# KiCad board Joystick 2-axis with pushbutton breakout_panel.kicad_pcb (continued)
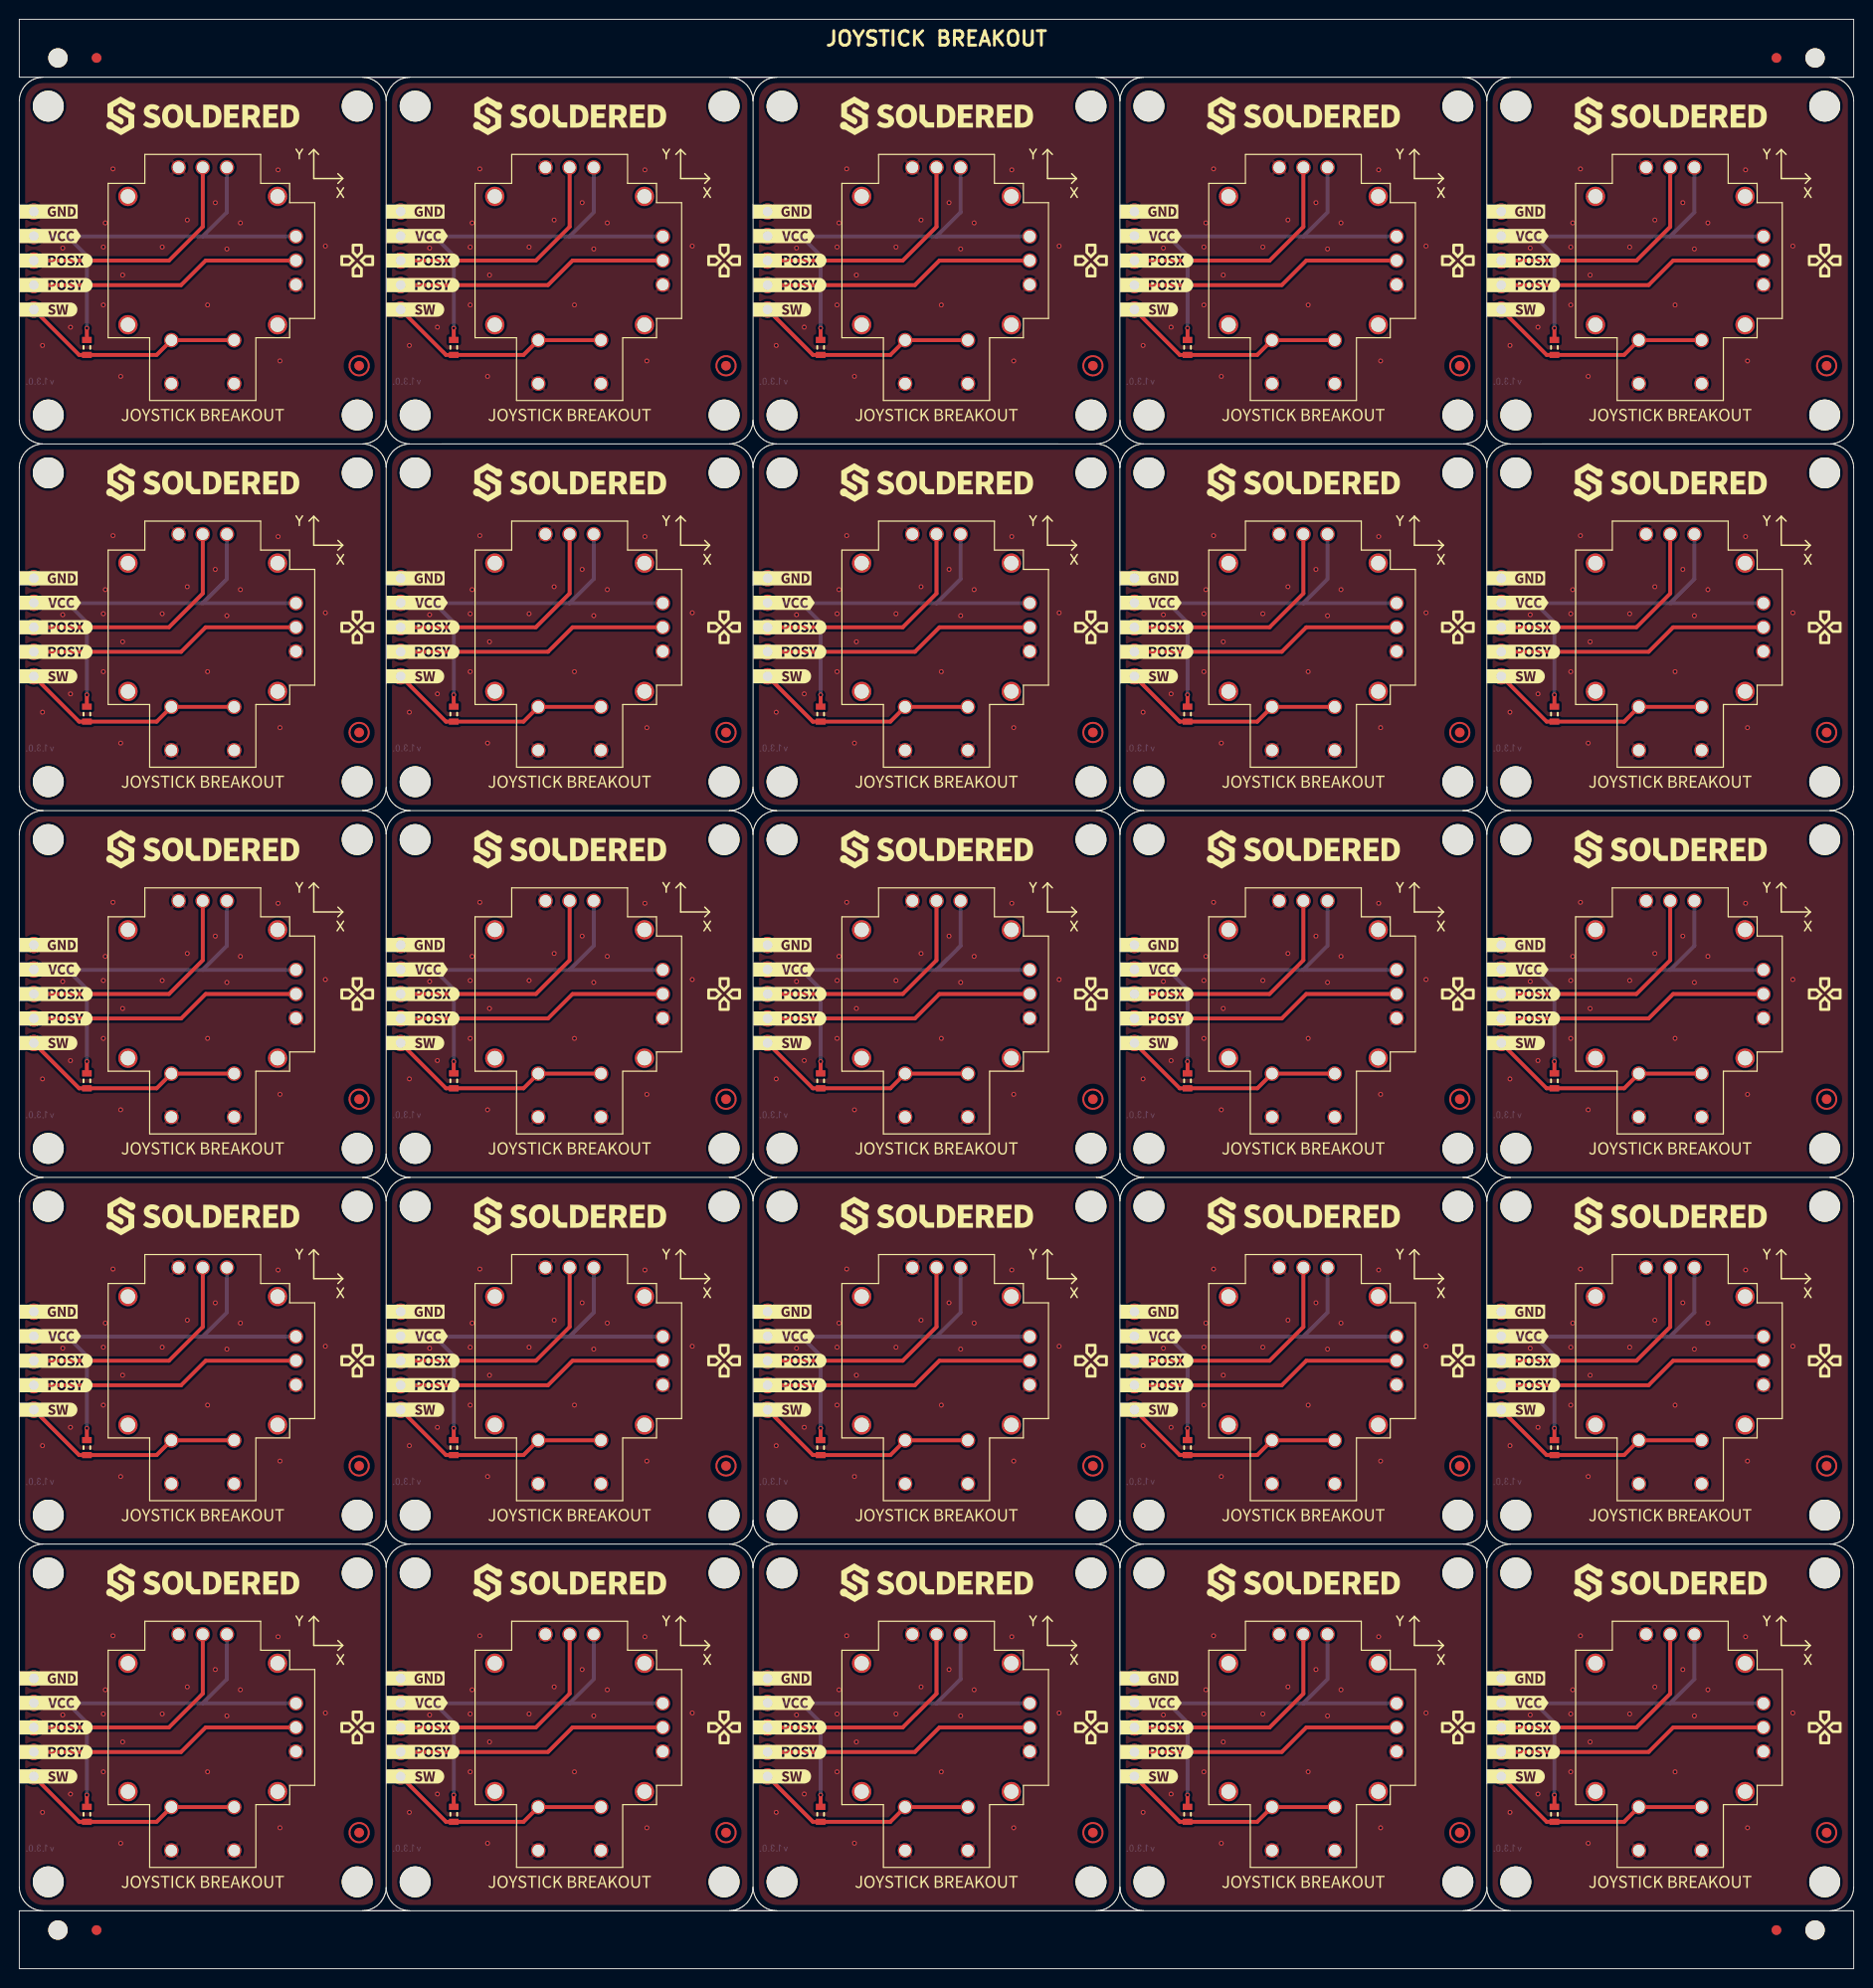
[diagram p0: board, top side]
## Routing (per net, layer and track width the routed paths; a pad name or vN(x,y) marks a point on that pad's centre or on a via; arc(x,y) is an arc through that point) (continued)
Board_21-POSy: length 28.2
  Top w0.4: K1#17.4 57.3,25 54.76,22.46 K2#6.2
Board_21-SW: length 23.3
  Top w0.4: K2#6.1 44.2,15.22 52.23,15.22 K1#17.2 K1#17.2
Board_21-VCC: length 46.9
  Top w0.4: R1#24.2 v1(45,18)
  Bottom w0.4: 57,27.5 59.5,30 K1#17.6 ; 57,27.5 43,27.5 ; 57,27.5 K1#17.5 ; 43,27.5 45,25.5 v1(45,18) ; 43,27.5 39.54,27.5 K2#6.4
Board_22-GND:
  vias: v1(78.4,16.2) v1(80.5,26.3) v1(81.3,18.1) v1(84.7,26.4) v1(84.7,20.4) v1(84.9,28.9) v1(85.7,34.5) v1(86.5,13) v1(86.7,23.5) v1(90.8,26.4) v1(93.4,29.2) v1(95.5,20.4) v1(96.3,31) v1(97.5,26.2) v1(98.9,28.9) v1(102.8,34.4) v1(103,14.6) v1(107.7,26.5)
Board_22-POSx: length 25.1
  Top w0.4: K2#22.3 91.5,25 95,28.5 K1#22.7
Board_22-POSy: length 28.2
  Top w0.4: K1#22.4 95.3,25 92.76,22.46 K2#22.2
Board_22-SW: length 23.3
  Top w0.4: K1#22.2 K1#22.2 90.23,15.22 82.2,15.22 K2#22.1
Board_22-VCC: length 46.9
  Top w0.4: R1#20.2 v1(83,18)
  Bottom w0.4: 81,27.5 77.54,27.5 K2#22.4 ; 81,27.5 95,27.5 ; 81,27.5 83,25.5 v1(83,18) ; K1#22.6 97.5,30 95,27.5 ; 95,27.5 K1#22.5
Board_23-GND:
  vias: v1(116.4,16.2) v1(118.5,26.3) v1(119.3,18.1) v1(122.7,26.4) v1(122.7,20.4) v1(122.9,28.9) v1(123.7,34.5) v1(124.5,13) v1(124.7,23.5) v1(128.8,26.4) v1(131.4,29.2) v1(133.5,20.4) v1(134.3,31) v1(135.5,26.2) v1(136.9,28.9) v1(140.8,34.4) v1(141,14.6) v1(145.7,26.5)
Board_23-POSx: length 25.1
  Top w0.4: K2#4.3 129.5,25 133,28.5 K1#14.7
Board_23-POSy: length 28.2
  Top w0.4: K2#4.2 130.76,22.46 133.3,25 K1#14.4
Board_23-SW: length 23.3
  Top w0.4: K2#4.1 120.2,15.22 128.23,15.22 K1#14.2 K1#14.2
Board_23-VCC: length 46.9
  Top w0.4: R1.2 v1(121,18)
  Bottom w0.4: 119,27.5 121,25.5 v1(121,18) ; 119,27.5 115.54,27.5 K2#4.4 ; 119,27.5 133,27.5 ; K1#14.6 135.5,30 133,27.5 ; 133,27.5 K1#14.5
Board_24-GND:
  vias: v1(154.4,16.2) v1(156.5,26.3) v1(157.3,18.1) v1(160.7,26.4) v1(160.7,20.4) v1(160.9,28.9) v1(161.7,34.5) v1(162.5,13) v1(162.7,23.5) v1(166.8,26.4) v1(169.4,29.2) v1(171.5,20.4) v1(172.3,31) v1(173.5,26.2) v1(174.9,28.9) v1(178.8,34.4) v1(179,14.6) v1(183.7,26.5)
Board_24-POSx: length 25.1
  Top w0.4: K2#25.3 167.5,25 171,28.5 K1#7.7
Board_24-POSy: length 28.2
  Top w0.4: K2#25.2 168.76,22.46 171.3,25 K1#7.4
Board_24-SW: length 23.3
  Top w0.4: K2#25.1 158.2,15.22 166.23,15.22 K1#7.2 K1#7.2
Board_24-VCC: length 46.9
  Top w0.4: R1#25.2 v1(159,18)
  Bottom w0.4: 171,27.5 173.5,30 K1#7.6 ; 171,27.5 157,27.5 ; 171,27.5 K1#7.5 ; 157,27.5 153.54,27.5 K2#25.4 ; 157,27.5 159,25.5 v1(159,18)

## Copper pours and planes (outline as drawn; the poured copper is in the pictures)
Board_0-GND on Top, Bottom: 38,158 0,158 0,196 38,196
Board_1-GND on Top, Bottom: 76,158 38,158 38,196 76,196
Board_2-GND on Top, Bottom: 114,158 76,158 76,196 114,196
Board_3-GND on Top, Bottom: 152,158 114,158 114,196 152,196
Board_4-GND on Top, Bottom: 190,158 152,158 152,196 190,196
Board_5-GND on Top, Bottom: 38,120 0,120 0,158 38,158
Board_6-GND on Top, Bottom: 76,120 38,120 38,158 76,158
Board_7-GND on Top, Bottom: 114,120 76,120 76,158 114,158
Board_8-GND on Top, Bottom: 152,120 114,120 114,158 152,158
Board_9-GND on Top, Bottom: 190,120 152,120 152,158 190,158
Board_10-GND on Top, Bottom: 38,82 0,82 0,120 38,120
Board_11-GND on Top, Bottom: 76,82 38,82 38,120 76,120
Board_12-GND on Top, Bottom: 114,82 76,82 76,120 114,120
Board_13-GND on Top, Bottom: 152,82 114,82 114,120 152,120
Board_14-GND on Top, Bottom: 190,82 152,82 152,120 190,120
Board_15-GND on Top, Bottom: 38,44 0,44 0,82 38,82
Board_16-GND on Top, Bottom: 76,44 38,44 38,82 76,82
Board_17-GND on Top, Bottom: 114,44 76,44 76,82 114,82
Board_18-GND on Top, Bottom: 152,44 114,44 114,82 152,82
Board_19-GND on Top, Bottom: 190,44 152,44 152,82 190,82
Board_20-GND on Top, Bottom: 38,6 0,6 0,44 38,44
Board_21-GND on Top, Bottom: 76,6 38,6 38,44 76,44
Board_22-GND on Top, Bottom: 114,6 76,6 76,44 114,44
Board_23-GND on Top, Bottom: 152,6 114,6 114,44 152,44
Board_24-GND on Top, Bottom: 190,6 152,6 152,44 190,44

## Text on the board
F.Silkscreen: Y | X | JOYSTICK BREAKOUT
User.8: V-CUT
